# Altium PCB PCB_CARTE_SON.PcbDoc (part 4 of 5) (continued)
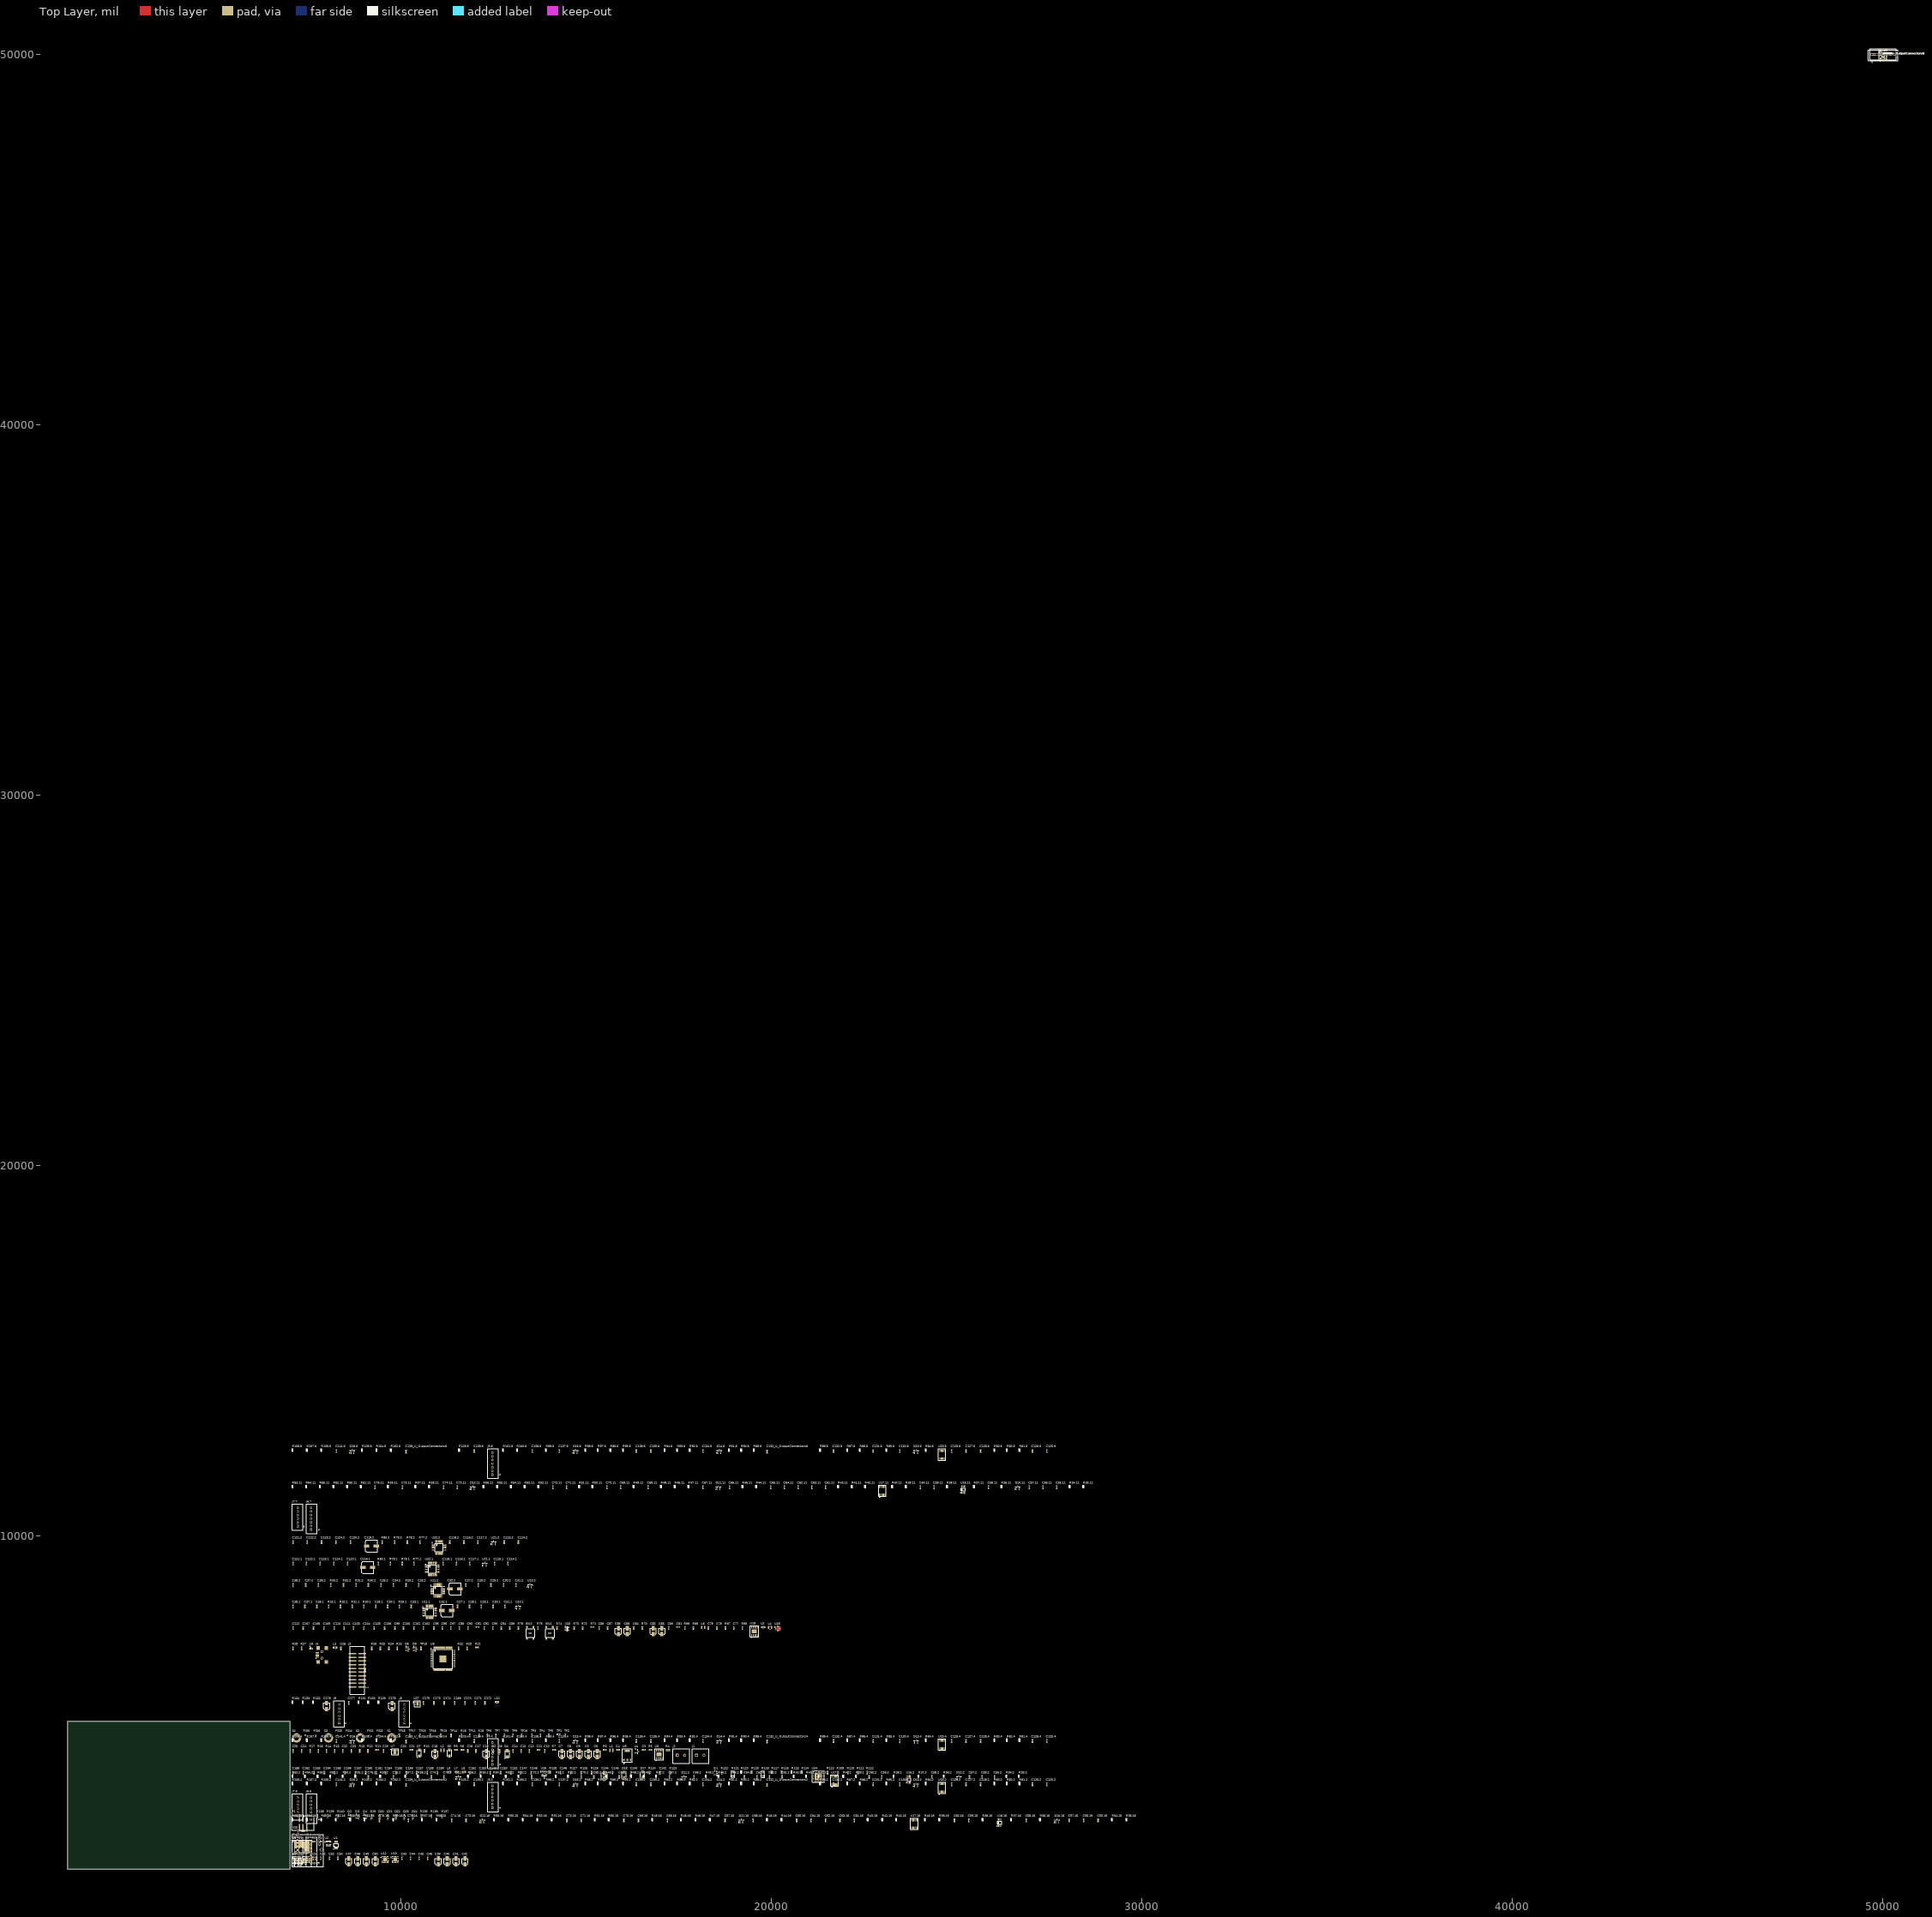
[diagram p0: Top Layer view]
## Nets (pads, with @x,y where several pads share a name; then routed paths per layer and width w, separated by ;. In a path a pad name is that pad's centre, name@x,y a point inside that pad or via, vN(x,y) a via of type N, cw(c..) or ccw(c..) an arc to the next point about the centre after c; other vN are vias at no path point) (continued)
+3V3: C1.1 C2.1 C36.1.1 C36.2.1 C37.1.1 C37.2.1 C38.1.1 C38.2.1 C40.+ C42.+ C44.1 C46.1 C48.+ C50.+ C52.1 C54.1 C85.+ C86.+ C90.1 C91.1 C95.1 C96.1 C99.1 C100.1 C103.1 C104.1 C107.1 C108.1 C112.1 C116.1.1 C116.2.1 C120.1.1 C120.2.1 C124.1.1 C124.2.1 C147.1 C148.1 C149.2 C150.2 C151.2 C152.1 C153.1 L6.2 L7.1 L8.1 Q1.S R20.1 R21.1 R22.1 R29.1.1 R29.2.1 R68.1 R70.1 R109.1 R110.1 R111.1 R112.1 R113.2 R135.2 R136.2 R137.2 TP13.1 TP13.2 U1.1 U2.1 U2.4 U8.6 U8.14 U8.19 U8.29 U8.42 U8.44 U8.52 U8.67 U8.78 U8.83 U8.92 U8.105 U8.110 U8.111 U11.1.28 U11.1.33 U11.1.35 U11.1.38 U11.2.28 U11.2.33 U11.2.35 U12.16 U12.18 U12.20 U12.23 U12.24 U13.16 U13.18 U13.20 U13.21 U13.23 U13.24 U14.16 U14.18 U14.20 U14.22 U14.23 U14.24 U15.16 U15.18 U15.20 U15.21 U15.22 U15.23 U15.24 U20.3 U20.5 U21.1.3 U21.2.3 U22.1.18 U22.1.43 U22.2.17 U22.2.18 U22.2.43 U24.16 U24.34 U24.40 U26.1 U26.4 U27.11
+5V5: C5.+ C6.+ C12.1 C16.1 C27.1.1 C27.2.1 C79.1 L1.2 P1.1 R7.1 TP17.1 TP17.2 U4.3 U5.3 U10.1.3 U10.2.3 U18.4 U18.5
+5VA: C15.+ C17.1 C39.+ C41.+ C43.1 C45.1 C47.+ C49.+ C51.1 C53.1 C62.1.1 C62.2.1 C62.3.1 C62.4.1 C62.5.1 C62.6.1 C62.7.1 C62.8.1 C62.9.1 C62.10.1 C62.11.1 C62.12.1 C62.13.1 C62.14.1 C62.15.1 C62.16.1 C63.1.1 C63.2.1 C63.3.1 C63.4.1 C63.5.1 C63.6.1 C63.7.1 C63.8.1 C63.9.1 C63.10.1 C63.11.1 C63.12.1 C63.13.1 C63.14.1 C63.15.1 C63.16.1 C64.1.2 C64.2.2 C64.3.2 C64.4.2 C64.5.2 C64.6.2 C64.7.2 C64.8.2 C64.9.2 C64.10.2 C64.11.2 C64.12.2 C64.13.2 C64.14.2 C64.15.2 C64.16.2 C65.1.2 C65.2.2 C65.3.2 C65.4.2 C65.5.2 C65.6.2 C65.7.2 C65.8.2 C65.9.2 C65.10.2 C65.11.2 C65.12.2 C65.13.2 C65.14.2 C65.15.2 C65.16.2 C114.1.1 C114.2.1 C115.1.1 C115.2.1 C127.1.1 C127.2.1 C127.3.1 C127.4.1 C127.5.1 C127.6.1 C127.7.1 C127.8.1 C128.1.1 C128.2.1 C128.3.1 C128.4.1 C128.5.1 C128.6.1 C128.7.1 C128.8.1 C129.1.2 C129.2.2 C129.3.2 C129.4.2 C129.5.2 C129.6.2 C129.7.2 C129.8.2 C169.1 C170.1 C173.2 D4.K D10.1.2 D10.2.2 D10.3.2 D10.4.2 D10.5.2 D10.6.2 D10.7.2 D10.8.2 D10.9.2 D10.10.2 D10.11.2 D10.12.2 D10.13.2 D10.14.2 D10.15.2 D10.16.2 D11.1.2 D11.2.2 D11.3.2 D11.4.2 D11.5.2 D11.6.2 D11.7.2 D11.8.2 D11.9.2 D11.10.2 D11.11.2 D11.12.2 D11.13.2 D11.14.2 D11.15.2 D11.16.2 D12.1.2 D12.2.2 D12.3.2 D12.4.2 D12.5.2 D12.6.2 D12.7.2 D12.8.2 D12.9.2 D12.10.2 D12.11.2 D12.12.2 D12.13.2 D12.14.2 D12.15.2 D12.16.2 D13.1.2 D13.2.2 D13.3.2 D13.4.2 D13.5.2 D13.6.2 D13.7.2 D13.8.2 D14.1.2 D14.2.2 D14.3.2 D14.4.2 D14.5.2 D14.6.2 D14.7.2 D14.8.2 D15.1.2 D15.2.2 D15.3.2 D15.4.2 D15.5.2 D15.6.2 D15.7.2 D15.8.2 D16.1.2 D16.2.2 D16.3.2 D16.4.2 D16.5.2 D16.6.2 D16.7.2 D16.8.2 R6.2 TP14.1 TP14.2 U4.2 U12.15 U13.15 U14.15 U15.15 U16.1.8 U16.2.8 U16.3.8 U16.4.8 U16.5.8 U16.6.8 U16.7.8 U16.8.8 U16.9.8 U16.10.8 U16.11.8 U16.12.8 U16.13.8 U16.14.8 U16.15.8 U16.16.8 U17.1.11 U17.2.11 U17.3.11 U17.4.11 U17.5.11 U17.6.11 U17.7.11 U17.8.11 U17.9.11 U17.10.11 U17.11.11 U17.12.11 U17.13.11 U17.14.11 U17.15.11 U17.16.11 U22.1.32 U22.2.32 U23.1.11 U23.2.11 U23.3.11 U23.4.11 U23.5.11 U23.6.11 U23.7.11 U23.8.11 U27.2
+12V: L10.1
+12V0: C7.+ C8.+ C9.+ C19.1 C82.+ C83.+ D1.2 J1.1 J7.1.4 J7.1.5 J7.2.4 J7.2.5 J7.3.4 J7.3.5 J7.4.4 J7.4.5 J7.5.4 J7.5.5 J7.6.4 J7.6.5 J7.7.4 J7.7.5 J7.8.4 J7.8.5 L2.1 R5.2 R11.2 R66.2 U3.2 U7.3 U19.2
+12VLED: C171.1 C172.1 C174.2 J8.6 L10.2
+48V0: C18.+ D5.A D7.K J7.1.3 J7.2.3 J7.3.3 J7.4.3 J7.5.3 J7.6.3 J7.7.3 J7.8.3 R10.1 TP15.1 TP15.2 U6.2
+49V2: TP18.1 TP18.2
+54V0: C20.1 C21.2 D5.K D6.2 R12.1 U6.3
-V1_U_InputAmplifier1: C71.1.2 R52.1.1 R63.1.1 R64.1.2 U17.1.14
-V1_U_InputAmplifier2: C71.2.2 R52.2.1 R63.2.1 R64.2.2 U17.2.14
-V1_U_InputAmplifier3: C71.3.2 R52.3.1 R63.3.1 R64.3.2 U17.3.14
-V1_U_InputAmplifier4: C71.4.2 R52.4.1 R63.4.1 R64.4.2 U17.4.14
-V1_U_InputAmplifier5: C71.5.2 R52.5.1 R63.5.1 R64.5.2 U17.5.14
-V1_U_InputAmplifier6: C71.6.2 R52.6.1 R63.6.1 R64.6.2 U17.6.14
-V1_U_InputAmplifier7: C71.7.2 R52.7.1 R63.7.1 R64.7.2 U17.7.14
-V1_U_InputAmplifier8: C71.8.2 R52.8.1 R63.8.1 R64.8.2 U17.8.14
-V1_U_InputAmplifier9: C71.9.2 R52.9.1 R63.9.1 R64.9.2 U17.9.14
-V1_U_InputAmplifier10: C71.10.2 R52.10.1 R63.10.1 R64.10.2 U17.10.14
-V1_U_InputAmplifier11: C71.11.2 R52.11.1 R63.11.1 R64.11.2 U17.11.14
-V1_U_InputAmplifier12: C71.12.2 R52.12.1 R63.12.1 R64.12.2 U17.12.14
-V1_U_InputAmplifier13: C71.13.2 R52.13.1 R63.13.1 R64.13.2 U17.13.14
-V1_U_InputAmplifier14: C71.14.2 R52.14.1 R63.14.1 R64.14.2 U17.14.14
-V1_U_InputAmplifier15: C71.15.2 R52.15.1 R63.15.1 R64.15.2 U17.15.14
-V1_U_InputAmplifier16: C71.16.2 R52.16.1 R63.16.1 R64.16.2 U17.16.14
A1: J9.1 R130.1 R131.1
A2: J9.4 R133.1 R134.1
ADC1_SDOUT1: R30.1.2 U8.88
ADC1_SDOUT2: R31.1.2 U8.89
ADC1_SDOUT3: R32.1.2 U8.62
ADC1_SDOUT4: R33.1.2 U8.90
ADC1_VQ: C34.1.1 C35.1.1 U11.1.7
ADC2_SDOUT1: R30.2.2 U8.4
ADC2_SDOUT2: R31.2.2 U8.5
ADC2_SDOUT3: R32.2.2 U8.3
ADC2_SDOUT4: R33.2.2 U8.7
ADC2_VQ: C34.2.1 C35.2.1 U11.2.7
AOUT1: C131.8.1 U22.1.39
AOUT2: C138.8.1 U22.1.38
AOUT3: C131.7.1 U22.1.35
AOUT4: C138.7.1 U22.1.34
AOUT5: C131.6.1 U22.1.29
AOUT6: C138.6.1 U22.1.28
AOUT7: C131.5.1 U22.1.25
AOUT8: C138.5.1 U22.1.24
AOUT9: C131.4.1 U22.2.39
AOUT10: C138.4.1 U22.2.38
AOUT11: C131.3.1 U22.2.35
AOUT12: C138.3.1 U22.2.34
AOUT13: C131.2.1 U22.2.29
AOUT14: C138.2.1 U22.2.28
AOUT15: C131.1.1 U22.2.25
AOUT16: C138.1.1 U22.2.24
AVDDH: C156.1 C157.1 C163.2 L8.2 U24.1 U24.12 U24.47
AVDDL: C160.1 C161.1 C168.2 L9.2 U24.4 U24.9
AVDDL_PLL: C154.1 C155.1 C162.2 L7.2 U24.44
B1: C175.2 C176.+ J9.3 U27.8 U27.9
B2: C177.2 C178.+ J9.6 U27.7
BCLK: R79.1.1 R79.2.1 U8.27
DAC1_SDIN1_TDM: R80.1.1 U8.28
DAC2_SDIN1_TDM: R80.2.1 U8.32
FSYNC: R78.1.1 R78.2.1 U8.91
GND: C1.2 C2.2 C3.1 C5.- C6.- C7.- C8.- C9.- C11.2 C12.2 C13.1 C14.2 C15.- C16.2 C17.2 C18.- C19.2 C20.2 C21.1 C22.2 C23.2 C24.1 C25.2 C26.2 C27.1.2 C27.2.2 C28.1.2 C28.2.2 C29.1.2 C29.2.2 C30.1.2 C30.2.2 C31.1.2 C31.2.2 C32.1.- C32.2.- C33.1.2 C33.2.2 C34.1.2 C34.2.2 C35.1.2 C35.2.2 C36.1.2 C36.2.2 C37.1.2 C37.2.2 C38.1.2 C38.2.2 C39.- C40.- C41.- C42.- C43.2 C44.2 C45.2 C46.2 C47.- C48.- C49.- C50.- C51.2 C52.2 C53.2 C54.2 C62.1.2 C62.2.2 C62.3.2 C62.4.2 C62.5.2 C62.6.2 C62.7.2 C62.8.2 C62.9.2 C62.10.2 C62.11.2 C62.12.2 C62.13.2 C62.14.2 C62.15.2 C62.16.2 C63.1.2 C63.2.2 C63.3.2 C63.4.2 C63.5.2 C63.6.2 C63.7.2 C63.8.2 C63.9.2 C63.10.2 C63.11.2 C63.12.2 C63.13.2 C63.14.2 C63.15.2 C63.16.2 C64.1.1 C64.2.1 C64.3.1 C64.4.1 C64.5.1 C64.6.1 C64.7.1 C64.8.1 C64.9.1 C64.10.1 C64.11.1 C64.12.1 C64.13.1 C64.14.1 C64.15.1 C64.16.1 C65.1.1 C65.2.1 C65.3.1 C65.4.1 C65.5.1 C65.6.1 C65.7.1 C65.8.1 C65.9.1 C65.10.1 C65.11.1 C65.12.1 C65.13.1 C65.14.1 C65.15.1 C65.16.1 C77.1 C79.2 C80.2 C81.2 C82.- C83.- C85.- C86.- C87.2 C88.2 C89.2 C90.2 C91.2 C92.2 C93.2 C94.2 C95.2 C96.2 C97.2 C98.2 C99.2 C100.2 C101.2 C102.2 C103.2 C104.2 C105.2 C106.2 C107.2 C108.2 C109.2 C110.2 C111.2 C112.2 C114.1.2 C114.2.2 C115.1.2 C115.2.2 C116.1.2 C116.2.2 C117.1.2 C117.2.2 C118.1.2 C118.2.2 C119.1.- C119.2.- C120.1.2 C120.2.2 C121.1.2 C121.2.2 C122.1.2 C122.2.2 C123.1.2 C123.2.2 C124.1.2 C124.2.2 C127.1.2 C127.2.2 C127.3.2 C127.4.2 C127.5.2 C127.6.2 C127.7.2 C127.8.2 C128.1.2 C128.2.2 C128.3.2 C128.4.2 C128.5.2 C128.6.2 C128.7.2 C128.8.2 C129.1.1 C129.2.1 C129.3.1 C129.4.1 C129.5.1 C129.6.1 C129.7.1 C129.8.1 C142.2 C143.2 C144.- C145.2 C146.2 C147.2 C148.2 C149.1 C150.1 C151.1 C152.2 C153.2 C154.2 C155.2 C156.2 C157.2 C158.2 C159.2 C160.2 C161.2 C162.1 C163.1 C164.1 C165.1 C166.1 C167.1 C168.1 C169.2 C170.2 C171.2 C172.2 C173.1 C174.1 D2.K D3.K D4.A D10.1.1 D10.2.1 D10.3.1 D10.4.1 D10.5.1 D10.6.1 D10.7.1 D10.8.1 D10.9.1 D10.10.1 D10.11.1 D10.12.1 D10.13.1 D10.14.1 D10.15.1 D10.16.1 D11.1.1 D11.2.1 D11.3.1 D11.4.1 D11.5.1 D11.6.1 D11.7.1 D11.8.1 D11.9.1 D11.10.1 D11.11.1 D11.12.1 D11.13.1 D11.14.1 D11.15.1 D11.16.1 D12.1.1 D12.2.1 D12.3.1 D12.4.1 D12.5.1 D12.6.1 D12.7.1 D12.8.1 D12.9.1 D12.10.1 D12.11.1 D12.12.1 D12.13.1 D12.14.1 D12.15.1 D12.16.1 D13.1.1 D13.2.1 D13.3.1 D13.4.1 D13.5.1 D13.6.1 D13.7.1 D13.8.1 D14.1.1 D14.2.1 D14.3.1 D14.4.1 D14.5.1 D14.6.1 D14.7.1 D14.8.1 D15.1.1 D15.2.1 D15.3.1 D15.4.1 D15.5.1 D15.6.1 D15.7.1 D15.8.1 D16.1.1 D16.2.1 D16.3.1 D16.4.1 D16.5.1 D16.6.1 D16.7.1 D16.8.1 J1.2 J2.1 J3.4 J3.8 J3.12 J3.16 J3.20 J4.5 J4.MH1 J4.MH2 J4.MH3 J4.MH4 J5.1.4 J5.2.4 J5.3.4 J5.4.4 J5.5.4 J5.6.4 J5.7.4 J5.8.4 J6.1.4 J6.2.4 J6.3.4 J6.4.4 J6.5.4 J6.6.4 J6.7.4 J6.8.4 J7.1.6 J7.2.6 J7.3.6 J7.4.6 J7.5.6 J7.6.6 J7.7.6 J7.8.6 J8.3 J8.4 J8.5 P1.2 P1.6 Q2.S Q3.S Q4.S R8.2 R9.2 R13.2 R14.2 R16.2 R17.1 R27.1 R69.2 R71.2 R72.2 R73.2 R75.2 R83.1.1 R83.2.1 R83.3.1 R83.4.1 R83.5.1 R83.6.1 R83.7.1 R83.8.1 R87.1.1 R87.2.1 R87.3.1 R87.4.1 R87.5.1 R87.6.1 R87.7.1 R87.8.1 R93.1.1 R93.2.1 R93.3.1 R93.4.1 R93.5.1 R93.6.1 R93.7.1 R93.8.1 R97.1.1 R97.2.1 R97.3.1 R97.4.1 R97.5.1 R97.6.1 R97.7.1 R97.8.1 R101.1.1 R101.2.1 R101.3.1 R101.4.1 R101.5.1 R101.6.1 R101.7.1 R101.8.1 R107.1.1 R107.2.1 R107.3.1 R107.4.1 R107.5.1 R107.6.1 R107.7.1 R107.8.1 R118.1 R118.2 R121.1 R121.2 R123.2 R125.2 R126.2 R127.2 R128.1 S1.1 S2.1 S3.1 S4.1 SW1.2 SW2.2 TP5.1 TP5.2 U1.2 U1.8 U2.2 U3.4 U3.9 U4.1 U5.2 U5.4 U6.4 U7.8 U7.9 U7.10 U7.11 U7.15 U8.104 U8.129 U9.2 U10.1.1 U10.2.1 U11.1.3 U11.1.5 U11.1.8 U11.1.10 U11.1.19 U11.1.21 U11.1.22 U11.1.29 U11.1.32 U11.1.34 U11.1.37 U11.1.42 U11.2.3 U11.2.5 U11.2.8 U11.2.10 U11.2.19 U11.2.21 U11.2.22 U11.2.29 U11.2.32 U11.2.34 U11.2.37 U11.2.38 U11.2.42 U12.1 U12.8 U12.21 U12.22 U13.1 U13.8 U13.22 U14.1 U14.8 U14.21 U15.1 U15.8 U16.1.4 U16.2.4 U16.3.4 U16.4.4 U16.5.4 U16.6.4 U16.7.4 U16.8.4 U16.9.4 U16.10.4 U16.11.4 U16.12.4 U16.13.4 U16.14.4 U16.15.4 U16.16.4 U17.1.4 U17.2.4 U17.3.4 U17.4.4 U17.5.4 U17.6.4 U17.7.4 U17.8.4 U17.9.4 U17.10.4 U17.11.4 U17.12.4 U17.13.4 U17.14.4 U17.15.4 U17.16.4 U18.2 U18.PAD U19.4 U19.9 U20.2 U21.1.1 U21.2.1 U22.1.1 U22.1.2 U22.1.3 U22.1.5 U22.1.10 U22.1.12 U22.1.17 U22.1.31 U22.1.42 U22.1.44 U22.1.45 U22.1.46 U22.1.47 U22.1.48 U22.2.1 U22.2.2 U22.2.3 U22.2.5 U22.2.10 U22.2.12 U22.2.31 U22.2.42 U22.2.44 U22.2.45 U22.2.46 U22.2.47 U22.2.48 U23.1.4 U23.2.4 U23.3.4 U23.4.4 U23.5.4 U23.6.4 U23.7.4 U23.8.4 U24.13 U24.29 U24.49 U25.18 U25.19 U26.2 U27.3 U27.4
  other v1: 21225.63,3470.63 21265,3470.63 21304.37,3470.63 21225.63,3510 21265,3510 21304.37,3510 21225.63,3549.37 21265,3549.37 21304.37,3549.37
I2C_SCL: P1.3 R21.2 TP1.1 TP1.2 U1.9 U8.37 U11.1.39 U11.2.39 U12.17 U13.17 U14.17 U15.17 U22.1.15 U22.2.15
I2C_SDA: P1.4 R20.2 TP2.1 TP2.2 U1.10 U8.38 U11.1.40 U11.2.40 U12.19 U13.19 U14.19 U15.19 U22.1.16 U22.2.16
IN1_N: C66.16.2 R47.16.2 R51.16.2 U11.1.48
IN1_P: C66.16.1 R35.16.2 R40.16.2 R50.16.2 U11.1.47
IN2_N: C66.15.2 R47.15.2 R51.15.2 U11.1.2
IN2_P: C66.15.1 R35.15.2 R40.15.2 R50.15.2 U11.1.1
IN3_N: C66.14.2 R47.14.2 R51.14.2 U11.1.14
IN3_P: C66.14.1 R35.14.2 R40.14.2 R50.14.2 U11.1.13
IN4_N: C66.13.2 R47.13.2 R51.13.2 U11.1.12
IN4_P: C66.13.1 R35.13.2 R40.13.2 R50.13.2 U11.1.11
IN5_N: C66.12.2 R47.12.2 R51.12.2 U11.1.46
IN5_P: C66.12.1 R35.12.2 R40.12.2 R50.12.2 U11.1.45
IN6_N: C66.11.2 R47.11.2 R51.11.2 U11.1.44
IN6_P: C66.11.1 R35.11.2 R40.11.2 R50.11.2 U11.1.43
IN7_N: C66.10.2 R47.10.2 R51.10.2 U11.1.16
IN7_P: C66.10.1 R35.10.2 R40.10.2 R50.10.2 U11.1.15
IN8_N: C66.9.2 R47.9.2 R51.9.2 U11.1.18
IN8_P: C66.9.1 R35.9.2 R40.9.2 R50.9.2 U11.1.17
IN9_N: C66.8.2 R47.8.2 R51.8.2 U11.2.48
IN9_P: C66.8.1 R35.8.2 R40.8.2 R50.8.2 U11.2.47
IN10_N: C66.7.2 R47.7.2 R51.7.2 U11.2.2
IN10_P: C66.7.1 R35.7.2 R40.7.2 R50.7.2 U11.2.1
IN11_N: C66.6.2 R47.6.2 R51.6.2 U11.2.14
IN11_P: C66.6.1 R35.6.2 R40.6.2 R50.6.2 U11.2.13
IN12_N: C66.5.2 R47.5.2 R51.5.2 U11.2.12
IN12_P: C66.5.1 R35.5.2 R40.5.2 R50.5.2 U11.2.11
IN13_N: C66.4.2 R47.4.2 R51.4.2 U11.2.46
IN13_P: C66.4.1 R35.4.2 R40.4.2 R50.4.2 U11.2.45
IN14_N: C66.3.2 R47.3.2 R51.3.2 U11.2.44
IN14_P: C66.3.1 R35.3.2 R40.3.2 R50.3.2 U11.2.43
IN15_N: C66.2.2 R47.2.2 R51.2.2 U11.2.16
IN15_P: C66.2.1 R35.2.2 R40.2.2 R50.2.2 U11.2.15
IN16_N: C66.1.2 R47.1.2 R51.1.2 U11.2.18
IN16_P: C66.1.1 R35.1.2 R40.1.2 R50.1.2 U11.2.17
INT_N: R113.1 U8.15 U24.38
JACKA_U_OutputConnectors1: J5.1.3 R81.1.1
JACKA_U_OutputConnectors2: J5.2.3 R81.2.1
JACKA_U_OutputConnectors3: J5.3.3 R81.3.1
JACKA_U_OutputConnectors4: J5.4.3 R81.4.1
JACKA_U_OutputConnectors5: J5.5.3 R81.5.1
JACKA_U_OutputConnectors6: J5.6.3 R81.6.1
JACKA_U_OutputConnectors7: J5.7.3 R81.7.1
JACKA_U_OutputConnectors8: J5.8.3 R81.8.1
JACKB_U_OutputConnectors1: J5.1.7 R95.1.1
JACKB_U_OutputConnectors2: J5.2.7 R95.2.1
JACKB_U_OutputConnectors3: J5.3.7 R95.3.1
JACKB_U_OutputConnectors4: J5.4.7 R95.4.1
JACKB_U_OutputConnectors5: J5.5.7 R95.5.1
JACKB_U_OutputConnectors6: J5.6.7 R95.6.1
JACKB_U_OutputConnectors7: J5.7.7 R95.7.1
JACKB_U_OutputConnectors8: J5.8.7 R95.8.1
LRCLK: R23.1 TP9.1 TP9.2 U11.1.24 U11.2.24
MCLK_AUDIO: R18.1 R19.2 R77.1.1 R77.2.1 TP7.1 TP7.2 U11.1.23 U11.2.23
MCLK_XCORE: R2.2 R18.2 U8.13 U8.63
NetC3_2: C3.2 U3.8
NetC4_1: C4.1 U3.1
NetC4_2: C4.2 L1.1 U3.3
NetC10_1: C10.1 C14.1 U3.6
NetC10_2: C10.2 R8.1
NetC22_1: C22.1 U7.7
NetC23_1: C23.1 D7.A R10.2 R13.1 U6.1
NetC24_2: C24.2 U7.12
NetC25_1: C25.1 R15.2
NetC28.1_1: C28.1.1 C29.1.1 C30.1.1 C31.1.1 U10.1.2 U11.1.4 U11.1.9 U11.1.20
NetC28.2_1: C28.2.1 C29.2.1 C30.2.1 C31.2.1 U10.2.2 U11.2.4 U11.2.9 U11.2.20
NetC32.1_+: C32.1.+ C33.1.1 U11.1.6
NetC32.2_+: C32.2.+ C33.2.1 U11.2.6
NetC55.1_1: C55.1.1 R36.1.2 R43.1.2 U17.1.3
NetC55.1_2: C55.1.2 R36.1.1 R53.1.2 U17.1.1
NetC55.2_1: C55.2.1 R36.2.2 R43.2.2 U17.2.3
NetC55.2_2: C55.2.2 R36.2.1 R53.2.2 U17.2.1
NetC55.3_1: C55.3.1 R36.3.2 R43.3.2 U17.3.3
NetC55.3_2: C55.3.2 R36.3.1 R53.3.2 U17.3.1
NetC55.4_1: C55.4.1 R36.4.2 R43.4.2 U17.4.3
NetC55.4_2: C55.4.2 R36.4.1 R53.4.2 U17.4.1
NetC55.5_1: C55.5.1 R36.5.2 R43.5.2 U17.5.3
NetC55.5_2: C55.5.2 R36.5.1 R53.5.2 U17.5.1
NetC55.6_1: C55.6.1 R36.6.2 R43.6.2 U17.6.3
NetC55.6_2: C55.6.2 R36.6.1 R53.6.2 U17.6.1
NetC55.7_1: C55.7.1 R36.7.2 R43.7.2 U17.7.3
NetC55.7_2: C55.7.2 R36.7.1 R53.7.2 U17.7.1
NetC55.8_1: C55.8.1 R36.8.2 R43.8.2 U17.8.3
NetC55.8_2: C55.8.2 R36.8.1 R53.8.2 U17.8.1
NetC55.9_1: C55.9.1 R36.9.2 R43.9.2 U17.9.3
NetC55.9_2: C55.9.2 R36.9.1 R53.9.2 U17.9.1
NetC55.10_1: C55.10.1 R36.10.2 R43.10.2 U17.10.3
NetC55.10_2: C55.10.2 R36.10.1 R53.10.2 U17.10.1
NetC55.11_1: C55.11.1 R36.11.2 R43.11.2 U17.11.3
NetC55.11_2: C55.11.2 R36.11.1 R53.11.2 U17.11.1
NetC55.12_1: C55.12.1 R36.12.2 R43.12.2 U17.12.3
NetC55.12_2: C55.12.2 R36.12.1 R53.12.2 U17.12.1
NetC55.13_1: C55.13.1 R36.13.2 R43.13.2 U17.13.3
NetC55.13_2: C55.13.2 R36.13.1 R53.13.2 U17.13.1
NetC55.14_1: C55.14.1 R36.14.2 R43.14.2 U17.14.3
NetC55.14_2: C55.14.2 R36.14.1 R53.14.2 U17.14.1
NetC55.15_1: C55.15.1 R36.15.2 R43.15.2 U17.15.3
NetC55.15_2: C55.15.2 R36.15.1 R53.15.2 U17.15.1
NetC55.16_1: C55.16.1 R36.16.2 R43.16.2 U17.16.3
NetC55.16_2: C55.16.2 R36.16.1 R53.16.2 U17.16.1
NetC56.1_1: C56.1.1 C57.1.1 R34.1.2 R35.1.1 U16.1.2
NetC56.1_2: C56.1.2 R40.1.1 U16.1.1
NetC56.2_1: C56.2.1 C57.2.1 R34.2.2 R35.2.1 U16.2.2
NetC56.2_2: C56.2.2 R40.2.1 U16.2.1
NetC56.3_1: C56.3.1 C57.3.1 R34.3.2 R35.3.1 U16.3.2
NetC56.3_2: C56.3.2 R40.3.1 U16.3.1
NetC56.4_1: C56.4.1 C57.4.1 R34.4.2 R35.4.1 U16.4.2
NetC56.4_2: C56.4.2 R40.4.1 U16.4.1
NetC56.5_1: C56.5.1 C57.5.1 R34.5.2 R35.5.1 U16.5.2
NetC56.5_2: C56.5.2 R40.5.1 U16.5.1
NetC56.6_1: C56.6.1 C57.6.1 R34.6.2 R35.6.1 U16.6.2
NetC56.6_2: C56.6.2 R40.6.1 U16.6.1
NetC56.7_1: C56.7.1 C57.7.1 R34.7.2 R35.7.1 U16.7.2
NetC56.7_2: C56.7.2 R40.7.1 U16.7.1
NetC56.8_1: C56.8.1 C57.8.1 R34.8.2 R35.8.1 U16.8.2
NetC56.8_2: C56.8.2 R40.8.1 U16.8.1
NetC56.9_1: C56.9.1 C57.9.1 R34.9.2 R35.9.1 U16.9.2
NetC56.9_2: C56.9.2 R40.9.1 U16.9.1
NetC56.10_1: C56.10.1 C57.10.1 R34.10.2 R35.10.1 U16.10.2
NetC56.10_2: C56.10.2 R40.10.1 U16.10.1
NetC56.11_1: C56.11.1 C57.11.1 R34.11.2 R35.11.1 U16.11.2
NetC56.11_2: C56.11.2 R40.11.1 U16.11.1
NetC56.12_1: C56.12.1 C57.12.1 R34.12.2 R35.12.1 U16.12.2
NetC56.12_2: C56.12.2 R40.12.1 U16.12.1
NetC56.13_1: C56.13.1 C57.13.1 R34.13.2 R35.13.1 U16.13.2
NetC56.13_2: C56.13.2 R40.13.1 U16.13.1
NetC56.14_1: C56.14.1 C57.14.1 R34.14.2 R35.14.1 U16.14.2
NetC56.14_2: C56.14.2 R40.14.1 U16.14.1
NetC56.15_1: C56.15.1 C57.15.1 R34.15.2 R35.15.1 U16.15.2
NetC56.15_2: C56.15.2 R40.15.1 U16.15.1
NetC56.16_1: C56.16.1 C57.16.1 R34.16.2 R35.16.1 U16.16.2
NetC56.16_2: C56.16.2 R40.16.1 U16.16.1
NetC58.1_1: C58.1.1 R37.1.2 R39.1.1
NetC58.1_2: C58.1.2 C59.1.1 C61.1.1 D10.1.3 R38.1.1 R43.1.1
NetC58.2_1: C58.2.1 R37.2.2 R39.2.1
NetC58.2_2: C58.2.2 C59.2.1 C61.2.1 D10.2.3 R38.2.1 R43.2.1
NetC58.3_1: C58.3.1 R37.3.2 R39.3.1
NetC58.3_2: C58.3.2 C59.3.1 C61.3.1 D10.3.3 R38.3.1 R43.3.1
NetC58.4_1: C58.4.1 R37.4.2 R39.4.1
NetC58.4_2: C58.4.2 C59.4.1 C61.4.1 D10.4.3 R38.4.1 R43.4.1
NetC58.5_1: C58.5.1 R37.5.2 R39.5.1
NetC58.5_2: C58.5.2 C59.5.1 C61.5.1 D10.5.3 R38.5.1 R43.5.1
NetC58.6_1: C58.6.1 R37.6.2 R39.6.1
NetC58.6_2: C58.6.2 C59.6.1 C61.6.1 D10.6.3 R38.6.1 R43.6.1
NetC58.7_1: C58.7.1 R37.7.2 R39.7.1
NetC58.7_2: C58.7.2 C59.7.1 C61.7.1 D10.7.3 R38.7.1 R43.7.1
NetC58.8_1: C58.8.1 R37.8.2 R39.8.1
NetC58.8_2: C58.8.2 C59.8.1 C61.8.1 D10.8.3 R38.8.1 R43.8.1
NetC58.9_1: C58.9.1 R37.9.2 R39.9.1
NetC58.9_2: C58.9.2 C59.9.1 C61.9.1 D10.9.3 R38.9.1 R43.9.1
NetC58.10_1: C58.10.1 R37.10.2 R39.10.1
NetC58.10_2: C58.10.2 C59.10.1 C61.10.1 D10.10.3 R38.10.1 R43.10.1
NetC58.11_1: C58.11.1 R37.11.2 R39.11.1
NetC58.11_2: C58.11.2 C59.11.1 C61.11.1 D10.11.3 R38.11.1 R43.11.1
NetC58.12_1: C58.12.1 R37.12.2 R39.12.1
NetC58.12_2: C58.12.2 C59.12.1 C61.12.1 D10.12.3 R38.12.1 R43.12.1
NetC58.13_1: C58.13.1 R37.13.2 R39.13.1
NetC58.13_2: C58.13.2 C59.13.1 C61.13.1 D10.13.3 R38.13.1 R43.13.1
NetC58.14_1: C58.14.1 R37.14.2 R39.14.1
NetC58.14_2: C58.14.2 C59.14.1 C61.14.1 D10.14.3 R38.14.1 R43.14.1
NetC58.15_1: C58.15.1 R37.15.2 R39.15.1
NetC58.15_2: C58.15.2 C59.15.1 C61.15.1 D10.15.3 R38.15.1 R43.15.1
NetC58.16_1: C58.16.1 R37.16.2 R39.16.1
NetC58.16_2: C58.16.2 C59.16.1 C61.16.1 D10.16.3 R38.16.1 R43.16.1
NetC60.1_1: C60.1.1 C75.1.2 R41.1.2 R65.1.1 U17.1.8
NetC60.1_2: C60.1.2 R42.1.2 U16.1.3
NetC60.2_1: C60.2.1 C75.2.2 R41.2.2 R65.2.1 U17.2.8
NetC60.2_2: C60.2.2 R42.2.2 U16.2.3
NetC60.3_1: C60.3.1 C75.3.2 R41.3.2 R65.3.1 U17.3.8
NetC60.3_2: C60.3.2 R42.3.2 U16.3.3
NetC60.4_1: C60.4.1 C75.4.2 R41.4.2 R65.4.1 U17.4.8
NetC60.4_2: C60.4.2 R42.4.2 U16.4.3
NetC60.5_1: C60.5.1 C75.5.2 R41.5.2 R65.5.1 U17.5.8
NetC60.5_2: C60.5.2 R42.5.2 U16.5.3
NetC60.6_1: C60.6.1 C75.6.2 R41.6.2 R65.6.1 U17.6.8
NetC60.6_2: C60.6.2 R42.6.2 U16.6.3
NetC60.7_1: C60.7.1 C75.7.2 R41.7.2 R65.7.1 U17.7.8
NetC60.7_2: C60.7.2 R42.7.2 U16.7.3
NetC60.8_1: C60.8.1 C75.8.2 R41.8.2 R65.8.1 U17.8.8
NetC60.8_2: C60.8.2 R42.8.2 U16.8.3
NetC60.9_1: C60.9.1 C75.9.2 R41.9.2 R65.9.1 U17.9.8
NetC60.9_2: C60.9.2 R42.9.2 U16.9.3
NetC60.10_1: C60.10.1 C75.10.2 R41.10.2 R65.10.1 U17.10.8
NetC60.10_2: C60.10.2 R42.10.2 U16.10.3
NetC60.11_1: C60.11.1 C75.11.2 R41.11.2 R65.11.1 U17.11.8
NetC60.11_2: C60.11.2 R42.11.2 U16.11.3
NetC60.12_1: C60.12.1 C75.12.2 R41.12.2 R65.12.1 U17.12.8
NetC60.12_2: C60.12.2 R42.12.2 U16.12.3
NetC60.13_1: C60.13.1 C75.13.2 R41.13.2 R65.13.1 U17.13.8
NetC60.13_2: C60.13.2 R42.13.2 U16.13.3
NetC60.14_1: C60.14.1 C75.14.2 R41.14.2 R65.14.1 U17.14.8
NetC60.14_2: C60.14.2 R42.14.2 U16.14.3
NetC60.15_1: C60.15.1 C75.15.2 R41.15.2 R65.15.1 U17.15.8
NetC60.15_2: C60.15.2 R42.15.2 U16.15.3
NetC60.16_1: C60.16.1 C75.16.2 R41.16.2 R65.16.1 U17.16.8
NetC60.16_2: C60.16.2 R42.16.2 U16.16.3
NetC61.1_2: C61.1.2 C67.1.2 C69.1.1 D11.1.3 R44.1.1 R49.1.1
NetC61.2_2: C61.2.2 C67.2.2 C69.2.1 D11.2.3 R44.2.1 R49.2.1
NetC61.3_2: C61.3.2 C67.3.2 C69.3.1 D11.3.3 R44.3.1 R49.3.1
NetC61.4_2: C61.4.2 C67.4.2 C69.4.1 D11.4.3 R44.4.1 R49.4.1
NetC61.5_2: C61.5.2 C67.5.2 C69.5.1 D11.5.3 R44.5.1 R49.5.1
NetC61.6_2: C61.6.2 C67.6.2 C69.6.1 D11.6.3 R44.6.1 R49.6.1
NetC61.7_2: C61.7.2 C67.7.2 C69.7.1 D11.7.3 R44.7.1 R49.7.1
NetC61.8_2: C61.8.2 C67.8.2 C69.8.1 D11.8.3 R44.8.1 R49.8.1
NetC61.9_2: C61.9.2 C67.9.2 C69.9.1 D11.9.3 R44.9.1 R49.9.1
NetC61.10_2: C61.10.2 C67.10.2 C69.10.1 D11.10.3 R44.10.1 R49.10.1
NetC61.11_2: C61.11.2 C67.11.2 C69.11.1 D11.11.3 R44.11.1 R49.11.1
NetC61.12_2: C61.12.2 C67.12.2 C69.12.1 D11.12.3 R44.12.1 R49.12.1
NetC61.13_2: C61.13.2 C67.13.2 C69.13.1 D11.13.3 R44.13.1 R49.13.1
NetC61.14_2: C61.14.2 C67.14.2 C69.14.1 D11.14.3 R44.14.1 R49.14.1
NetC61.15_2: C61.15.2 C67.15.2 C69.15.1 D11.15.3 R44.15.1 R49.15.1
NetC61.16_2: C61.16.2 C67.16.2 C69.16.1 D11.16.3 R44.16.1 R49.16.1
NetC67.1_1: C67.1.1 R45.1.2 R46.1.2
NetC67.2_1: C67.2.1 R45.2.2 R46.2.2
NetC67.3_1: C67.3.1 R45.3.2 R46.3.2
NetC67.4_1: C67.4.1 R45.4.2 R46.4.2
NetC67.5_1: C67.5.1 R45.5.2 R46.5.2
NetC67.6_1: C67.6.1 R45.6.2 R46.6.2
NetC67.7_1: C67.7.1 R45.7.2 R46.7.2
NetC67.8_1: C67.8.1 R45.8.2 R46.8.2
NetC67.9_1: C67.9.1 R45.9.2 R46.9.2
NetC67.10_1: C67.10.1 R45.10.2 R46.10.2
NetC67.11_1: C67.11.1 R45.11.2 R46.11.2
NetC67.12_1: C67.12.1 R45.12.2 R46.12.2
NetC67.13_1: C67.13.1 R45.13.2 R46.13.2
NetC67.14_1: C67.14.1 R45.14.2 R46.14.2
NetC67.15_1: C67.15.1 R45.15.2 R46.15.2
NetC67.16_1: C67.16.1 R45.16.2 R46.16.2
NetC68.1_2: C68.1.2 R44.1.2 R48.1.1 U17.1.2
NetC68.2_2: C68.2.2 R44.2.2 R48.2.1 U17.2.2
NetC68.3_2: C68.3.2 R44.3.2 R48.3.1 U17.3.2
NetC68.4_2: C68.4.2 R44.4.2 R48.4.1 U17.4.2
NetC68.5_2: C68.5.2 R44.5.2 R48.5.1 U17.5.2
NetC68.6_2: C68.6.2 R44.6.2 R48.6.1 U17.6.2
NetC68.7_2: C68.7.2 R44.7.2 R48.7.1 U17.7.2
NetC68.8_2: C68.8.2 R44.8.2 R48.8.1 U17.8.2
NetC68.9_2: C68.9.2 R44.9.2 R48.9.1 U17.9.2
NetC68.10_2: C68.10.2 R44.10.2 R48.10.1 U17.10.2
NetC68.11_2: C68.11.2 R44.11.2 R48.11.1 U17.11.2
NetC68.12_2: C68.12.2 R44.12.2 R48.12.1 U17.12.2
NetC68.13_2: C68.13.2 R44.13.2 R48.13.1 U17.13.2
NetC68.14_2: C68.14.2 R44.14.2 R48.14.1 U17.14.2
NetC68.15_2: C68.15.2 R44.15.2 R48.15.1 U17.15.2
NetC68.16_2: C68.16.2 R44.16.2 R48.16.1 U17.16.2
NetC70.1_1: C70.1.1 R47.1.1 R50.1.1 U16.1.6
NetC70.1_2: C70.1.2 R51.1.1 U16.1.7
NetC70.2_1: C70.2.1 R47.2.1 R50.2.1 U16.2.6
NetC70.2_2: C70.2.2 R51.2.1 U16.2.7
NetC70.3_1: C70.3.1 R47.3.1 R50.3.1 U16.3.6
NetC70.3_2: C70.3.2 R51.3.1 U16.3.7
NetC70.4_1: C70.4.1 R47.4.1 R50.4.1 U16.4.6
NetC70.4_2: C70.4.2 R51.4.1 U16.4.7
NetC70.5_1: C70.5.1 R47.5.1 R50.5.1 U16.5.6
NetC70.5_2: C70.5.2 R51.5.1 U16.5.7
NetC70.6_1: C70.6.1 R47.6.1 R50.6.1 U16.6.6
NetC70.6_2: C70.6.2 R51.6.1 U16.6.7
NetC70.7_1: C70.7.1 R47.7.1 R50.7.1 U16.7.6
NetC70.7_2: C70.7.2 R51.7.1 U16.7.7
NetC70.8_1: C70.8.1 R47.8.1 R50.8.1 U16.8.6
NetC70.8_2: C70.8.2 R51.8.1 U16.8.7
NetC70.9_1: C70.9.1 R47.9.1 R50.9.1 U16.9.6
NetC70.9_2: C70.9.2 R51.9.1 U16.9.7
NetC70.10_1: C70.10.1 R47.10.1 R50.10.1 U16.10.6
NetC70.10_2: C70.10.2 R51.10.1 U16.10.7
NetC70.11_1: C70.11.1 R47.11.1 R50.11.1 U16.11.6
NetC70.11_2: C70.11.2 R51.11.1 U16.11.7
NetC70.12_1: C70.12.1 R47.12.1 R50.12.1 U16.12.6
NetC70.12_2: C70.12.2 R51.12.1 U16.12.7
NetC70.13_1: C70.13.1 R47.13.1 R50.13.1 U16.13.6
NetC70.13_2: C70.13.2 R51.13.1 U16.13.7
NetC70.14_1: C70.14.1 R47.14.1 R50.14.1 U16.14.6
NetC70.14_2: C70.14.2 R51.14.1 U16.14.7
NetC70.15_1: C70.15.1 R47.15.1 R50.15.1 U16.15.6
NetC70.15_2: C70.15.2 R51.15.1 U16.15.7
NetC70.16_1: C70.16.1 R47.16.1 R50.16.1 U16.16.6
NetC70.16_2: C70.16.2 R51.16.1 U16.16.7
NetC71.1_1: C71.1.1 R52.1.2 R54.1.2 U17.1.13
NetC71.2_1: C71.2.1 R52.2.2 R54.2.2 U17.2.13
NetC71.3_1: C71.3.1 R52.3.2 R54.3.2 U17.3.13
NetC71.4_1: C71.4.1 R52.4.2 R54.4.2 U17.4.13
NetC71.5_1: C71.5.1 R52.5.2 R54.5.2 U17.5.13
NetC71.6_1: C71.6.1 R52.6.2 R54.6.2 U17.6.13
NetC71.7_1: C71.7.1 R52.7.2 R54.7.2 U17.7.13
NetC71.8_1: C71.8.1 R52.8.2 R54.8.2 U17.8.13
NetC71.9_1: C71.9.1 R52.9.2 R54.9.2 U17.9.13
NetC71.10_1: C71.10.1 R52.10.2 R54.10.2 U17.10.13
NetC71.11_1: C71.11.1 R52.11.2 R54.11.2 U17.11.13
NetC71.12_1: C71.12.1 R52.12.2 R54.12.2 U17.12.13
NetC71.13_1: C71.13.1 R52.13.2 R54.13.2 U17.13.13
NetC71.14_1: C71.14.1 R52.14.2 R54.14.2 U17.14.13
NetC71.15_1: C71.15.1 R52.15.2 R54.15.2 U17.15.13
NetC71.16_1: C71.16.1 R52.16.2 R54.16.2 U17.16.13
NetC72.1_1: C72.1.1 R53.1.1 R58.1.1 R60.1.2 R63.1.2 U17.1.6
NetC72.2_1: C72.2.1 R53.2.1 R58.2.1 R60.2.2 R63.2.2 U17.2.6
NetC72.3_1: C72.3.1 R53.3.1 R58.3.1 R60.3.2 R63.3.2 U17.3.6
NetC72.4_1: C72.4.1 R53.4.1 R58.4.1 R60.4.2 R63.4.2 U17.4.6
NetC72.5_1: C72.5.1 R53.5.1 R58.5.1 R60.5.2 R63.5.2 U17.5.6
NetC72.6_1: C72.6.1 R53.6.1 R58.6.1 R60.6.2 R63.6.2 U17.6.6
NetC72.7_1: C72.7.1 R53.7.1 R58.7.1 R60.7.2 R63.7.2 U17.7.6
NetC72.8_1: C72.8.1 R53.8.1 R58.8.1 R60.8.2 R63.8.2 U17.8.6
NetC72.9_1: C72.9.1 R53.9.1 R58.9.1 R60.9.2 R63.9.2 U17.9.6
NetC72.10_1: C72.10.1 R53.10.1 R58.10.1 R60.10.2 R63.10.2 U17.10.6